# EAGLE board Mk4 Final Panel 8up 4x2 (EAGLE 9.0.1), part 15 of 23 (continued)
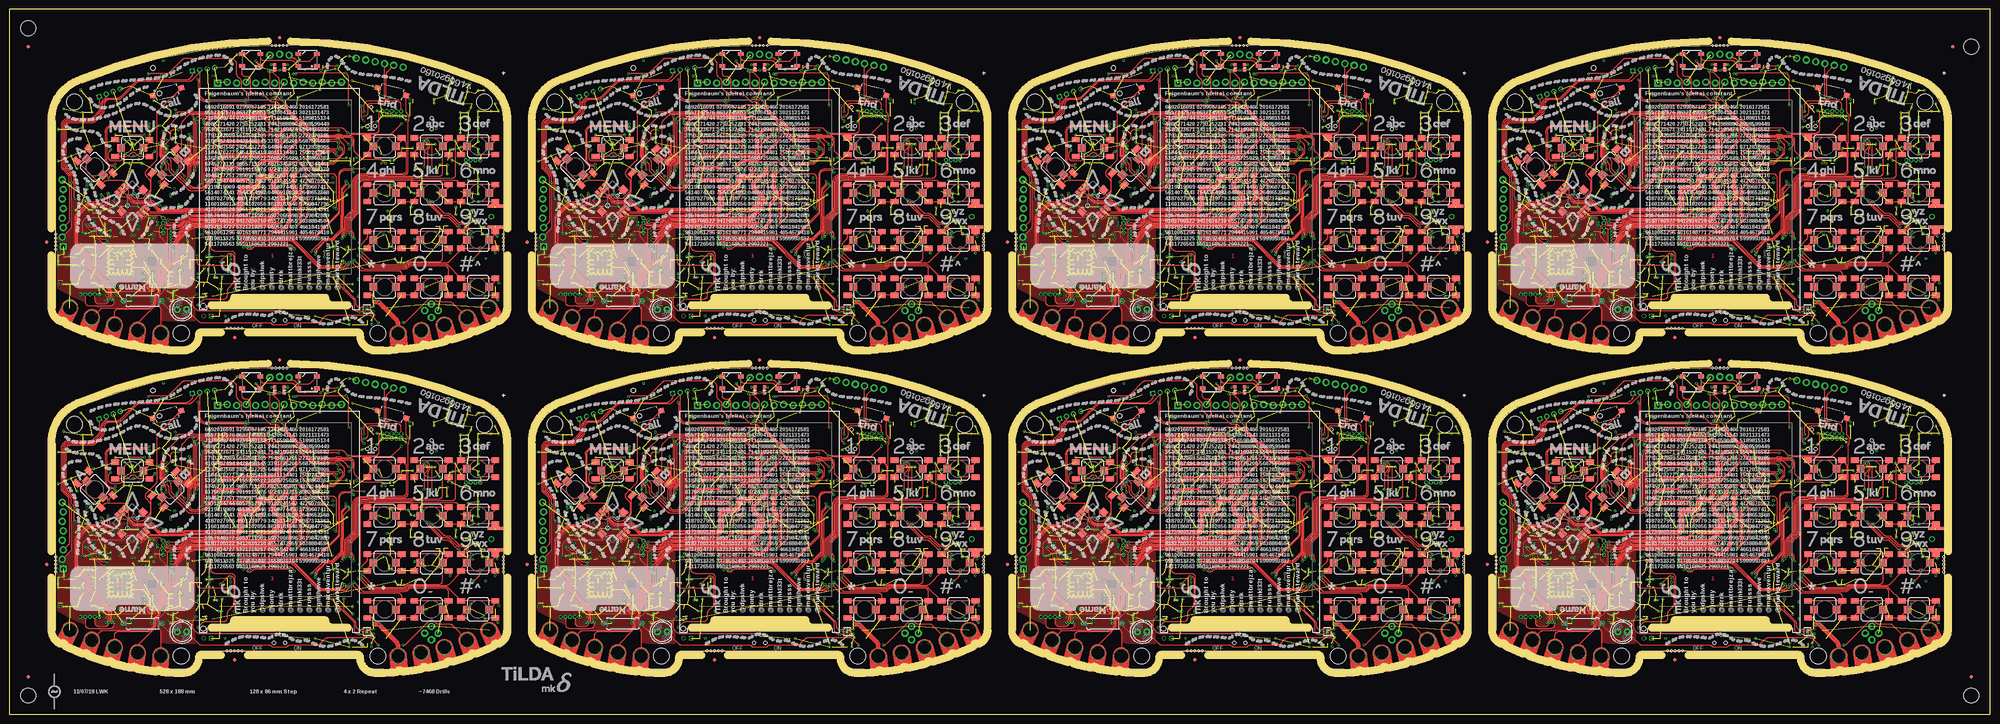
[diagram p0: board, top side]
## Tracks (layer width: path | path; a pad name or v marks a point on that pad's centre or on a via) (continued)
MIC_SWITCHED_P  (via drill 0.3)
  3V3@2 0.2: v41.06,88.32 arc-14 72,91.5 arc-7 91,90.5 arc-12 110.75,86 114,82.75 114,70.5 v113.75,70.25
  Bottom 0.2: IC12.2 105.54,66.05 arc-90 105.74,66.25 108,66.25 108.08,66.33 108.41,66.33 arc45 109.12,66.62 110.11,67.62 arc-45 110.25,67.67 110.81,67.67 arc45 111.17,67.82 111.52,68.17 arc-45 111.66,68.23 113.25,68.23 arc90 113.75,68.73 v113.75,70.25 114.5,71 115,71 115.47,71.47 S22.2 | J9.1 41.77,87.19 arc45 41.48,87.9 v41.06,88.32
MIC_SWITCHED_P1  (via drill 0.3)
  3V3@2 0.2: v169.06,88.32 arc-14 200,91.5 arc-7 219,90.5 arc-12 238.75,86 242,82.75 242,70.5 v241.75,70.25
  Bottom 0.2: IC27.2 233.54,66.05 arc-90 233.74,66.25 236,66.25 236.07,66.33 236.41,66.33 arc45 237.12,66.62 238.11,67.62 arc-45 238.25,67.67 238.81,67.67 arc45 239.17,67.82 239.51,68.17 arc-45 239.66,68.23 241.25,68.23 arc90 241.75,68.73 v241.75,70.25 242.5,71 243,71 243.47,71.47 S42.2 | J17.1 169.78,87.19 arc45 169.48,87.9 v169.06,88.32
MIC_SWITCHED_P2  (via drill 0.3)
  3V3@2 0.2: v41.06,174.32 arc-14 72,177.5 arc-7 91,176.5 arc-12 110.75,172 114,168.75 114,156.5 v113.75,156.25
  Bottom 0.2: IC45.2 105.54,152.05 arc-90 105.74,152.25 108,152.25 108.08,152.32 108.41,152.32 arc45 109.12,152.62 110.11,153.62 arc-45 110.25,153.68 110.81,153.68 arc45 111.17,153.82 111.52,154.17 arc-45 111.66,154.23 113.25,154.23 arc90 113.75,154.73 v113.75,156.25 114.5,157 115,157 115.47,157.47 S63.2 | J27.1 41.77,173.19 arc45 41.48,173.9 v41.06,174.32
MIC_SWITCHED_P3  (via drill 0.3)
  3V3@2 0.2: v169.06,174.32 arc-14 200,177.5 arc-7 219,176.5 arc-12 238.75,172 242,168.75 242,156.5 v241.75,156.25
  Bottom 0.2: IC63.2 233.54,152.05 arc-90 233.74,152.25 236,152.25 236.07,152.32 236.41,152.32 arc45 237.12,152.62 238.11,153.62 arc-45 238.25,153.68 238.81,153.68 arc45 239.17,153.82 239.51,154.17 arc-45 239.66,154.23 241.25,154.23 arc90 241.75,154.73 v241.75,156.25 242.5,157 243,157 243.47,157.47 S84.2 | J37.1 169.78,173.19 arc45 169.48,173.9 v169.06,174.32
MIC_SWITCHED_P4  (via drill 0.3)
  3V3@2 0.2: v297.06,88.32 arc-14 328,91.5 arc-7 347,90.5 arc-12 366.75,86 370,82.75 370,70.5 v369.75,70.25
  Bottom 0.2: IC81.2 361.54,66.05 arc-90 361.74,66.25 364,66.25 364.07,66.33 364.41,66.33 arc45 365.12,66.62 366.11,67.62 arc-45 366.25,67.67 366.81,67.67 arc45 367.17,67.82 367.51,68.17 arc-45 367.66,68.23 369.25,68.23 arc90 369.75,68.73 v369.75,70.25 370.5,71 371,71 371.48,71.47 S105.2 | J47.1 297.77,87.19 arc45 297.48,87.9 v297.06,88.32
MIC_SWITCHED_P5  (via drill 0.3)
  3V3@2 0.2: v425.06,88.32 arc-14 456,91.5 arc-7 475,90.5 arc-12 494.75,86 498,82.75 498,70.5 v497.75,70.25
  Bottom 0.2: IC99.2 489.54,66.05 arc-90 489.74,66.25 492,66.25 492.07,66.33 492.41,66.33 arc45 493.12,66.62 494.11,67.62 arc-45 494.25,67.67 494.81,67.67 arc45 495.17,67.82 495.51,68.17 arc-45 495.66,68.23 497.25,68.23 arc90 497.75,68.73 v497.75,70.25 498.5,71 499,71 499.48,71.47 S126.2 | J57.1 425.77,87.19 arc45 425.48,87.9 v425.06,88.32
MIC_SWITCHED_P6  (via drill 0.3)
  3V3@2 0.2: v297.06,174.32 arc-14 328,177.5 arc-7 347,176.5 arc-12 366.75,172 370,168.75 370,156.5 v369.75,156.25
  Bottom 0.2: IC117.2 361.54,152.05 arc-90 361.74,152.25 364,152.25 364.07,152.32 364.41,152.32 arc45 365.12,152.62 366.11,153.62 arc-45 366.25,153.68 366.81,153.68 arc45 367.17,153.82 367.51,154.17 arc-45 367.66,154.23 369.25,154.23 arc90 369.75,154.73 v369.75,156.25 370.5,157 371,157 371.48,157.47 S147.2 | J67.1 297.77,173.19 arc45 297.48,173.9 v297.06,174.32
MIC_SWITCHED_P7  (via drill 0.3)
  3V3@2 0.2: v425.06,174.32 arc-14 456,177.5 arc-7 475,176.5 arc-12 494.75,172 498,168.75 498,156.5 v497.75,156.25
  Bottom 0.2: IC135.2 489.54,152.05 arc-90 489.74,152.25 492,152.25 492.07,152.32 492.41,152.32 arc45 493.12,152.62 494.11,153.62 arc-45 494.25,153.68 494.81,153.68 arc45 495.17,153.82 495.51,154.17 arc-45 495.66,154.23 497.25,154.23 arc90 497.75,154.73 v497.75,156.25 498.5,157 499,157 499.48,157.47 S168.2 | J77.1 425.77,173.19 arc45 425.48,173.9 v425.06,174.32
MUX_A  (via drill 0.3)
  Top 0.15: v81.15,68.2 81.4,68.45 arc-45 81.76,68.6 81.91,68.6 arc-45 82.15,68.5 86.9,68.5 arc45 87.04,68.56 87.15,68.67 arc-45 87.29,68.72 88.31,68.72 arc-45 88.45,68.67 88.56,68.56 arc45 88.7,68.5 90.89,68.5 arc45 91.08,68.58 arc-45 91.43,68.72 101.31,68.72 arc45 102.02,69.02 v104.5,71.5
  Bottom 0.15: IC1.105 80.95,68 v81.15,68.2
  Bottom 0.2: IC12.12 104.27,71.27 v104.5,71.5 R56.1 105.54,71.29 IC12.13
MUX_A1  (via drill 0.3)
  Top 0.15: v209.15,68.2 209.4,68.45 arc-45 209.76,68.6 209.91,68.6 arc-45 210.15,68.5 214.9,68.5 arc45 215.04,68.56 215.15,68.67 arc-45 215.29,68.72 216.31,68.72 arc-45 216.45,68.67 216.56,68.56 arc45 216.7,68.5 218.89,68.5 arc45 219.08,68.58 arc-45 219.43,68.72 229.31,68.72 arc45 230.02,69.02 v232.5,71.5
  Bottom 0.15: IC20.105 208.95,68 v209.15,68.2
  Bottom 0.2: IC27.12 232.27,71.27 v232.5,71.5 R134.1 233.54,71.29 IC27.13
MUX_A2  (via drill 0.3)
  Top 0.15: v81.15,154.2 81.4,154.45 arc-45 81.76,154.6 81.91,154.6 arc-45 82.15,154.5 86.9,154.5 arc45 87.04,154.56 87.15,154.67 arc-45 87.29,154.72 88.31,154.72 arc-45 88.45,154.67 88.56,154.56 arc45 88.7,154.5 90.89,154.5 arc45 91.08,154.58 arc-45 91.43,154.72 101.31,154.72 arc45 102.02,155.02 v104.5,157.5
  Bottom 0.15: IC38.105 80.95,154 v81.15,154.2
  Bottom 0.2: IC45.12 104.27,157.27 v104.5,157.5 R212.1 105.54,157.29 IC45.13
MUX_A3  (via drill 0.3)
  Top 0.15: v209.15,154.2 209.4,154.45 arc-45 209.76,154.6 209.91,154.6 arc-45 210.15,154.5 214.9,154.5 arc45 215.04,154.56 215.15,154.67 arc-45 215.29,154.72 216.31,154.72 arc-45 216.45,154.67 216.56,154.56 arc45 216.7,154.5 218.89,154.5 arc45 219.08,154.58 arc-45 219.43,154.72 229.31,154.72 arc45 230.02,155.02 v232.5,157.5
  Bottom 0.15: IC56.105 208.95,154 v209.15,154.2
  Bottom 0.2: IC63.12 232.27,157.27 v232.5,157.5 R290.1 233.54,157.29 IC63.13
MUX_A4  (via drill 0.3)
  Top 0.15: v337.15,68.2 337.4,68.45 arc-45 337.76,68.6 337.91,68.6 arc-45 338.15,68.5 342.9,68.5 arc45 343.04,68.56 343.15,68.67 arc-45 343.29,68.72 344.31,68.72 arc-45 344.45,68.67 344.56,68.56 arc45 344.7,68.5 346.89,68.5 arc45 347.08,68.58 arc-45 347.43,68.72 357.31,68.72 arc45 358.02,69.02 v360.5,71.5
  Bottom 0.15: IC74.105 336.95,68 v337.15,68.2
  Bottom 0.2: IC81.12 360.27,71.27 v360.5,71.5 R368.1 361.54,71.29 IC81.13
MUX_A5  (via drill 0.3)
  Top 0.15: v465.15,68.2 465.4,68.45 arc-45 465.76,68.6 465.91,68.6 arc-45 466.15,68.5 470.9,68.5 arc45 471.04,68.56 471.15,68.67 arc-45 471.29,68.72 472.31,68.72 arc-45 472.45,68.67 472.56,68.56 arc45 472.7,68.5 474.89,68.5 arc45 475.08,68.58 arc-45 475.43,68.72 485.31,68.72 arc45 486.02,69.02 v488.5,71.5
  Bottom 0.15: IC92.105 464.95,68 v465.15,68.2
  Bottom 0.2: IC99.12 488.27,71.27 v488.5,71.5 R446.1 489.54,71.29 IC99.13
MUX_A6  (via drill 0.3)
  Top 0.15: v337.15,154.2 337.4,154.45 arc-45 337.76,154.6 337.91,154.6 arc-45 338.15,154.5 342.9,154.5 arc45 343.04,154.56 343.15,154.67 arc-45 343.29,154.72 344.31,154.72 arc-45 344.45,154.67 344.56,154.56 arc45 344.7,154.5 346.89,154.5 arc45 347.08,154.58 arc-45 347.43,154.72 357.31,154.72 arc45 358.02,155.02 v360.5,157.5
  Bottom 0.15: IC110.105 336.95,154 v337.15,154.2
  Bottom 0.2: IC117.12 360.27,157.27 v360.5,157.5 R524.1 361.54,157.29 IC117.13
MUX_A7  (via drill 0.3)
  Top 0.15: v465.15,154.2 465.4,154.45 arc-45 465.76,154.6 465.91,154.6 arc-45 466.15,154.5 470.9,154.5 arc45 471.04,154.56 471.15,154.67 arc-45 471.29,154.72 472.31,154.72 arc-45 472.45,154.67 472.56,154.56 arc45 472.7,154.5 474.89,154.5 arc45 475.08,154.58 arc-45 475.43,154.72 485.31,154.72 arc45 486.02,155.02 v488.5,157.5
  Bottom 0.15: IC128.105 464.95,154 v465.15,154.2
  Bottom 0.2: IC135.12 488.27,157.27 v488.5,157.5 R602.1 489.54,157.29 IC135.13
MUX_B  (via drill 0.3)
  Top 0.15: v100.25,61 99.54,61.71 arc45 98.84,62 94.51,62 arc-45 93.81,62.29 92.09,64.01 arc-45 91.8,64.71 91.8,67.2 arc90 90.8,68.2 88.57,68.2 arc-45 88.43,68.26 88.33,68.37 arc45 88.18,68.42 87.42,68.42 arc45 87.28,68.37 87.17,68.26 arc-45 87.03,68.2 82.31,68.2 arc45 81.95,68.05 v81.9,68
  Bottom 0.15: R55.2 v100.25,61 | IC1.106 81.5,67.6 v81.9,68
  Bottom 0.2: IC12.6 100.46,61.96 R55.2 100.31,61.75 arc45 101.02,62.04 101.27,62.3 101.3,62.3 101.73,62.73 IC12.5
MUX_B1  (via drill 0.3)
  Top 0.15: v228.25,61 227.54,61.71 arc45 226.84,62 222.51,62 arc-45 221.81,62.29 220.09,64.01 arc-45 219.8,64.71 219.8,67.2 arc90 218.8,68.2 216.57,68.2 arc-45 216.43,68.26 216.32,68.37 arc45 216.18,68.42 215.42,68.42 arc45 215.28,68.37 215.17,68.26 arc-45 215.03,68.2 210.31,68.2 arc45 209.95,68.05 v209.9,68
  Bottom 0.15: R133.2 v228.25,61 | IC20.106 209.5,67.6 v209.9,68
  Bottom 0.2: IC27.6 228.46,61.96 R133.2 228.31,61.75 arc45 229.01,62.04 229.27,62.3 229.3,62.3 229.73,62.73 IC27.5
MUX_B2  (via drill 0.3)
  Top 0.15: v100.25,147 99.54,147.71 arc45 98.84,148 94.51,148 arc-45 93.81,148.29 92.09,150.01 arc-45 91.8,150.71 91.8,153.2 arc90 90.8,154.2 88.57,154.2 arc-45 88.43,154.26 88.33,154.37 arc45 88.18,154.43 87.42,154.43 arc45 87.28,154.37 87.17,154.26 arc-45 87.03,154.2 82.31,154.2 arc45 81.95,154.05 v81.9,154
  Bottom 0.15: R211.2 v100.25,147 | IC38.106 81.5,153.6 v81.9,154
  Bottom 0.2: IC45.6 100.46,147.96 R211.2 100.31,147.75 arc45 101.02,148.04 101.27,148.3 101.3,148.3 101.73,148.73 IC45.5
MUX_B3  (via drill 0.3)
  Top 0.15: v228.25,147 227.54,147.71 arc45 226.84,148 222.51,148 arc-45 221.81,148.29 220.09,150.01 arc-45 219.8,150.71 219.8,153.2 arc90 218.8,154.2 216.57,154.2 arc-45 216.43,154.26 216.32,154.37 arc45 216.18,154.43 215.42,154.43 arc45 215.28,154.37 215.17,154.26 arc-45 215.03,154.2 210.31,154.2 arc45 209.95,154.05 v209.9,154
  Bottom 0.15: R289.2 v228.25,147 | IC56.106 209.5,153.6 v209.9,154
  Bottom 0.2: IC63.6 228.46,147.96 R289.2 228.31,147.75 arc45 229.01,148.04 229.27,148.3 229.3,148.3 229.73,148.73 IC63.5
MUX_B4  (via drill 0.3)
  Top 0.15: v356.25,61 355.54,61.71 arc45 354.84,62 350.51,62 arc-45 349.81,62.29 348.09,64.01 arc-45 347.8,64.71 347.8,67.2 arc90 346.8,68.2 344.57,68.2 arc-45 344.43,68.26 344.32,68.37 arc45 344.18,68.42 343.42,68.42 arc45 343.27,68.37 343.17,68.26 arc-45 343.03,68.2 338.31,68.2 arc45 337.95,68.05 v337.9,68
  Bottom 0.15: R367.2 v356.25,61 | IC74.106 337.5,67.6 v337.9,68
  Bottom 0.2: IC81.6 356.46,61.96 R367.2 356.31,61.75 arc45 357.01,62.04 357.27,62.3 357.3,62.3 357.73,62.73 IC81.5
MUX_B5  (via drill 0.3)
  Top 0.15: v484.25,61 483.54,61.71 arc45 482.84,62 478.51,62 arc-45 477.81,62.29 476.09,64.01 arc-45 475.8,64.71 475.8,67.2 arc90 474.8,68.2 472.57,68.2 arc-45 472.43,68.26 472.32,68.37 arc45 472.18,68.42 471.42,68.42 arc45 471.27,68.37 471.17,68.26 arc-45 471.03,68.2 466.31,68.2 arc45 465.95,68.05 v465.9,68
  Bottom 0.15: R445.2 v484.25,61 | IC92.106 465.5,67.6 v465.9,68
  Bottom 0.2: IC99.6 484.46,61.96 R445.2 484.31,61.75 arc45 485.01,62.04 485.27,62.3 485.3,62.3 485.73,62.73 IC99.5
MUX_B6  (via drill 0.3)
  Top 0.15: v356.25,147 355.54,147.71 arc45 354.84,148 350.51,148 arc-45 349.81,148.29 348.09,150.01 arc-45 347.8,150.71 347.8,153.2 arc90 346.8,154.2 344.57,154.2 arc-45 344.43,154.26 344.32,154.37 arc45 344.18,154.43 343.42,154.43 arc45 343.27,154.37 343.17,154.26 arc-45 343.03,154.2 338.31,154.2 arc45 337.95,154.05 v337.9,154
  Bottom 0.15: R523.2 v356.25,147 | IC110.106 337.5,153.6 v337.9,154
  Bottom 0.2: IC117.6 356.46,147.96 R523.2 356.31,147.75 arc45 357.01,148.04 357.27,148.3 357.3,148.3 357.73,148.73 IC117.5
MUX_B7  (via drill 0.3)
  Top 0.15: v484.25,147 483.54,147.71 arc45 482.84,148 478.51,148 arc-45 477.81,148.29 476.09,150.01 arc-45 475.8,150.71 475.8,153.2 arc90 474.8,154.2 472.57,154.2 arc-45 472.43,154.26 472.32,154.37 arc45 472.18,154.43 471.42,154.43 arc45 471.27,154.37 471.17,154.26 arc-45 471.03,154.2 466.31,154.2 arc45 465.95,154.05 v465.9,154
  Bottom 0.15: R601.2 v484.25,147 | IC128.106 465.5,153.6 v465.9,154
  Bottom 0.2: IC135.6 484.46,147.96 R601.2 484.31,147.75 arc45 485.01,148.04 485.27,148.3 485.3,148.3 485.73,148.73 IC135.5
N$1
  cutout GND@3 (no thermals): 33.9,40.9 33.9,40.85 33.9,40.9 34.24,41.24 arc-90 34.66,41.24 34.84,41.06 arc-90 34.84,40.64 32.15,37.95 32.15,37.8 arc-90 31.85,37.5 31.75,37.5 arc-90 31.45,37.8 31.45,38.4 33.9,40.85
N$2
  cutout GND@3 (no thermals): 29.1,42.5 29.1,38.8 29.85,38.05 29.85,37.75 arc-90 29.55,37.45 29.45,37.45 arc-90 29.15,37.75 28.4,38.5 28.4,43 29.29,43.89 arc-90 29.71,43.89 29.89,43.71 arc-90 29.89,43.29
N$3
  cutout GND@3 (no thermals): 28.1,42.6 28.1,38.6 28.65,38.05 28.65,37.75 arc-90 28.35,37.45 28.25,37.45 arc-90 27.95,37.75 27.4,38.3 27.4,42.1 26.61,42.89 arc-90 26.61,43.31 26.79,43.49 arc-90 27.21,43.49
N$4
  cutout 3V3@2: 92.1,17 92.1,20.75 96.1,20.75 96.1,17
  cutout GND@3: 92.1,17 92.1,20.75 96.1,20.75 96.1,17
N$5
  cutout GND@3 (no thermals): 161.9,40.9 161.9,40.85 161.9,40.9 162.24,41.24 arc-90 162.66,41.24 162.84,41.06 arc-90 162.84,40.64 160.15,37.95 160.15,37.8 arc-90 159.85,37.5 159.75,37.5 arc-90 159.45,37.8 159.45,38.4 161.9,40.85
N$6
  cutout GND@3 (no thermals): 157.1,42.5 157.1,38.8 157.85,38.05 157.85,37.75 arc-90 157.55,37.45 157.45,37.45 arc-90 157.15,37.75 156.4,38.5 156.4,43 157.29,43.89 arc-90 157.71,43.89 157.89,43.71 arc-90 157.89,43.29
N$7
  cutout GND@3 (no thermals): 156.1,42.6 156.1,38.6 156.65,38.05 156.65,37.75 arc-90 156.35,37.45 156.25,37.45 arc-90 155.95,37.75 155.4,38.3 155.4,42.1 154.61,42.89 arc-90 154.61,43.31 154.79,43.49 arc-90 155.21,43.49
N$8
  cutout 3V3@2: 220.1,17 220.1,20.75 224.1,20.75 224.1,17
  cutout GND@3: 220.1,17 220.1,20.75 224.1,20.75 224.1,17
N$9
  cutout GND@3 (no thermals): 33.9,126.9 33.9,126.85 33.9,126.9 34.24,127.24 arc-90 34.66,127.24 34.84,127.06 arc-90 34.84,126.64 32.15,123.95 32.15,123.8 arc-90 31.85,123.5 31.75,123.5 arc-90 31.45,123.8 31.45,124.4 33.9,126.85
N$10
  cutout GND@3 (no thermals): 29.1,128.5 29.1,124.8 29.85,124.05 29.85,123.75 arc-90 29.55,123.45 29.45,123.45 arc-90 29.15,123.75 28.4,124.5 28.4,129 29.29,129.89 arc-90 29.71,129.89 29.89,129.71 arc-90 29.89,129.29
N$11
  cutout GND@3 (no thermals): 28.1,128.6 28.1,124.6 28.65,124.05 28.65,123.75 arc-90 28.35,123.45 28.25,123.45 arc-90 27.95,123.75 27.4,124.3 27.4,128.1 26.61,128.89 arc-90 26.61,129.31 26.79,129.49 arc-90 27.21,129.49
N$12
  cutout 3V3@2: 92.1,103 92.1,106.75 96.1,106.75 96.1,103
  cutout GND@3: 92.1,103 92.1,106.75 96.1,106.75 96.1,103
N$13
  cutout GND@3 (no thermals): 161.9,126.9 161.9,126.85 161.9,126.9 162.24,127.24 arc-90 162.66,127.24 162.84,127.06 arc-90 162.84,126.64 160.15,123.95 160.15,123.8 arc-90 159.85,123.5 159.75,123.5 arc-90 159.45,123.8 159.45,124.4 161.9,126.85
N$14
  cutout GND@3 (no thermals): 157.1,128.5 157.1,124.8 157.85,124.05 157.85,123.75 arc-90 157.55,123.45 157.45,123.45 arc-90 157.15,123.75 156.4,124.5 156.4,129 157.29,129.89 arc-90 157.71,129.89 157.89,129.71 arc-90 157.89,129.29
N$15
  cutout GND@3 (no thermals): 156.1,128.6 156.1,124.6 156.65,124.05 156.65,123.75 arc-90 156.35,123.45 156.25,123.45 arc-90 155.95,123.75 155.4,124.3 155.4,128.1 154.61,128.89 arc-90 154.61,129.31 154.79,129.49 arc-90 155.21,129.49
N$16
  cutout 3V3@2: 220.1,103 220.1,106.75 224.1,106.75 224.1,103
  cutout GND@3: 220.1,103 220.1,106.75 224.1,106.75 224.1,103
N$17
  cutout GND@3 (no thermals): 289.9,40.9 289.9,40.85 289.9,40.9 290.24,41.24 arc-90 290.66,41.24 290.84,41.06 arc-90 290.84,40.64 288.15,37.95 288.15,37.8 arc-90 287.85,37.5 287.75,37.5 arc-90 287.45,37.8 287.45,38.4 289.9,40.85
N$18
  cutout GND@3 (no thermals): 285.1,42.5 285.1,38.8 285.85,38.05 285.85,37.75 arc-90 285.55,37.45 285.45,37.45 arc-90 285.15,37.75 284.4,38.5 284.4,43 285.29,43.89 arc-90 285.71,43.89 285.89,43.71 arc-90 285.89,43.29
N$19
  cutout GND@3 (no thermals): 284.1,42.6 284.1,38.6 284.65,38.05 284.65,37.75 arc-90 284.35,37.45 284.25,37.45 arc-90 283.95,37.75 283.4,38.3 283.4,42.1 282.61,42.89 arc-90 282.61,43.31 282.79,43.49 arc-90 283.21,43.49
N$20
  cutout 3V3@2: 348.1,17 348.1,20.75 352.1,20.75 352.1,17
  cutout GND@3: 348.1,17 348.1,20.75 352.1,20.75 352.1,17
N$21
  cutout GND@3 (no thermals): 417.9,40.9 417.9,40.85 417.9,40.9 418.24,41.24 arc-90 418.66,41.24 418.84,41.06 arc-90 418.84,40.64 416.15,37.95 416.15,37.8 arc-90 415.85,37.5 415.75,37.5 arc-90 415.45,37.8 415.45,38.4 417.9,40.85
N$22
  cutout GND@3 (no thermals): 413.1,42.5 413.1,38.8 413.85,38.05 413.85,37.75 arc-90 413.55,37.45 413.45,37.45 arc-90 413.15,37.75 412.4,38.5 412.4,43 413.29,43.89 arc-90 413.71,43.89 413.89,43.71 arc-90 413.89,43.29
N$23
  cutout GND@3 (no thermals): 412.1,42.6 412.1,38.6 412.65,38.05 412.65,37.75 arc-90 412.35,37.45 412.25,37.45 arc-90 411.95,37.75 411.4,38.3 411.4,42.1 410.61,42.89 arc-90 410.61,43.31 410.79,43.49 arc-90 411.21,43.49
N$24
  cutout 3V3@2: 476.1,17 476.1,20.75 480.1,20.75 480.1,17
  cutout GND@3: 476.1,17 476.1,20.75 480.1,20.75 480.1,17
N$25
  cutout GND@3 (no thermals): 289.9,126.9 289.9,126.85 289.9,126.9 290.24,127.24 arc-90 290.66,127.24 290.84,127.06 arc-90 290.84,126.64 288.15,123.95 288.15,123.8 arc-90 287.85,123.5 287.75,123.5 arc-90 287.45,123.8 287.45,124.4 289.9,126.85
N$26
  cutout GND@3 (no thermals): 285.1,128.5 285.1,124.8 285.85,124.05 285.85,123.75 arc-90 285.55,123.45 285.45,123.45 arc-90 285.15,123.75 284.4,124.5 284.4,129 285.29,129.89 arc-90 285.71,129.89 285.89,129.71 arc-90 285.89,129.29
N$27
  cutout GND@3 (no thermals): 284.1,128.6 284.1,124.6 284.65,124.05 284.65,123.75 arc-90 284.35,123.45 284.25,123.45 arc-90 283.95,123.75 283.4,124.3 283.4,128.1 282.61,128.89 arc-90 282.61,129.31 282.79,129.49 arc-90 283.21,129.49
N$28
  cutout 3V3@2: 348.1,103 348.1,106.75 352.1,106.75 352.1,103
  cutout GND@3: 348.1,103 348.1,106.75 352.1,106.75 352.1,103
N$29
  cutout GND@3 (no thermals): 417.9,126.9 417.9,126.85 417.9,126.9 418.24,127.24 arc-90 418.66,127.24 418.84,127.06 arc-90 418.84,126.64 416.15,123.95 416.15,123.8 arc-90 415.85,123.5 415.75,123.5 arc-90 415.45,123.8 415.45,124.4 417.9,126.85
N$30
  cutout GND@3 (no thermals): 413.1,128.5 413.1,124.8 413.85,124.05 413.85,123.75 arc-90 413.55,123.45 413.45,123.45 arc-90 413.15,123.75 412.4,124.5 412.4,129 413.29,129.89 arc-90 413.71,129.89 413.89,129.71 arc-90 413.89,129.29
N$31
  cutout GND@3 (no thermals): 412.1,128.6 412.1,124.6 412.65,124.05 412.65,123.75 arc-90 412.35,123.45 412.25,123.45 arc-90 411.95,123.75 411.4,124.3 411.4,128.1 410.61,128.89 arc-90 410.61,129.31 410.79,129.49 arc-90 411.21,129.49
N$32
  cutout 3V3@2: 476.1,103 476.1,106.75 480.1,106.75 480.1,103
  cutout GND@3: 476.1,103 476.1,106.75 480.1,106.75 480.1,103
NETLIGHT_R
  Bottom 0.15: IC5.41 109.2,44 arc-90 108.2,43 102.75,43 R42.2
NETLIGHT_R1
  Bottom 0.15: IC21.41 237.2,44 arc-90 236.2,43 230.75,43 R124.2
NETLIGHT_R2
  Bottom 0.15: IC39.41 109.2,130 arc-90 108.2,129 102.75,129 R202.2
NETLIGHT_R3
  Bottom 0.15: IC57.41 237.2,130 arc-90 236.2,129 230.75,129 R280.2
NETLIGHT_R4
  Bottom 0.15: IC75.41 365.2,44 arc-90 364.2,43 358.75,43 R358.2
NETLIGHT_R5
  Bottom 0.15: IC93.41 493.2,44 arc-90 492.2,43 486.75,43 R436.2
NETLIGHT_R6
  Bottom 0.15: IC111.41 365.2,130 arc-90 364.2,129 358.75,129 R514.2
NETLIGHT_R7
  Bottom 0.15: IC129.41 493.2,130 arc-90 492.2,129 486.75,129 R592.2
OSC0
  Bottom 0.15: IC1.88 75,76.2 C16.2 74.75,77.91 arc45 74.46,78.62 X2.1
OSC1
  Bottom 0.15: IC1.89 75.4,74.1 R6.1
OSC1_R
  Bottom 0.15: R6.2 C17.2 75.75,77.47 X2.3
OSC1_R1
  Bottom 0.15: R90.2 C127.2 203.75,77.47 X6.3
OSC1_R2
  Bottom 0.15: R168.2 C235.2 75.75,163.47 X10.3
OSC1_R3
  Bottom 0.15: R246.2 C343.2 203.75,163.47 X14.3
OSC1_R4
  Bottom 0.15: R324.2 C451.2 331.75,77.47 X18.3
OSC1_R5
  Bottom 0.15: R402.2 C559.2 459.75,77.47 X22.3
OSC1_R6
  Bottom 0.15: R480.2 C667.2 331.75,163.47 X26.3
OSC1_R7
  Bottom 0.15: R558.2 C775.2 459.75,163.47 X30.3
OSC2
  Bottom 0.15: IC20.88 203,76.2 C126.2 202.75,77.91 arc45 202.46,78.62 X6.1
OSC3
  Bottom 0.15: IC20.89 203.4,74.1 R90.1
OSC4
  Bottom 0.15: IC38.88 75,162.2 C234.2 74.75,163.91 arc45 74.46,164.62 X10.1
OSC5
  Bottom 0.15: IC38.89 75.4,160.1 R168.1
OSC6
  Bottom 0.15: IC56.88 203,162.2 C342.2 202.75,163.91 arc45 202.46,164.62 X14.1
OSC7
  Bottom 0.15: IC56.89 203.4,160.1 R246.1
OSC8
  Bottom 0.15: IC74.88 331,76.2 C450.2 330.75,77.91 arc45 330.46,78.62 X18.1
OSC9
  Bottom 0.15: IC74.89 331.4,74.1 R324.1
OSC10
  Bottom 0.15: IC92.88 459,76.2 C558.2 458.75,77.91 arc45 458.46,78.62 X22.1
OSC11
  Bottom 0.15: IC92.89 459.4,74.1 R402.1
OSC12
  Bottom 0.15: IC110.88 331,162.2 C666.2 330.75,163.91 arc45 330.46,164.62 X26.1
OSC13
  Bottom 0.15: IC110.89 331.4,160.1 R480.1
OSC14
  Bottom 0.15: IC128.88 459,162.2 C774.2 458.75,163.91 arc45 458.46,164.62 X30.1
OSC15
  Bottom 0.15: IC128.89 459.4,160.1 R558.1
POWER_SWITCH  (via drill 0.3)
  Top 0.15: v73.25,21 73.02,21.23 arc45 72.31,21.52 72.03,21.52 72.01,21.5 50.71,21.5 arc-45 50.01,21.79 49.32,22.48 arc-45 49.02,23.19 49.02,24.86 arc-45 49.32,25.57 v49.75,26
  Bottom 0.15: Q3.4 50.3,26.2 R13.1 v49.75,26 | S18.3 73.61,20.85 arc-45 v73.25,21
POWER_SWITCH1  (via drill 0.3)
  Top 0.15: v201.25,21 201.02,21.23 arc45 200.31,21.52 200.03,21.52 200.01,21.5 178.71,21.5 arc-45 178.01,21.79 177.32,22.48 arc-45 177.03,23.19 177.03,24.86 arc-45 177.32,25.57 v177.75,26
  Bottom 0.15: Q7.4 178.3,26.2 R96.1 v177.75,26 | S39.3 201.61,20.85 arc-45 v201.25,21
POWER_SWITCH2  (via drill 0.3)
  Top 0.15: v73.25,107 73.02,107.23 arc45 72.31,107.53 72.03,107.53 72.01,107.5 50.71,107.5 arc-45 50.01,107.79 49.32,108.48 arc-45 49.02,109.19 49.02,110.86 arc-45 49.32,111.57 v49.75,112
  Bottom 0.15: Q12.4 50.3,112.2 R174.1 v49.75,112 | S60.3 73.61,106.85 arc-45 v73.25,107
POWER_SWITCH3  (via drill 0.3)
  Top 0.15: v201.25,107 201.02,107.23 arc45 200.31,107.53 200.03,107.53 200.01,107.5 178.71,107.5 arc-45 178.01,107.79 177.32,108.48 arc-45 177.03,109.19 177.03,110.86 arc-45 177.32,111.57 v177.75,112
  Bottom 0.15: Q16.4 178.3,112.2 R252.1 v177.75,112 | S81.3 201.61,106.85 arc-45 v201.25,107
POWER_SWITCH4  (via drill 0.3)
  Top 0.15: v329.25,21 329.02,21.23 arc45 328.31,21.52 328.03,21.52 328.01,21.5 306.71,21.5 arc-45 306.01,21.79 305.32,22.48 arc-45 305.02,23.19 305.02,24.86 arc-45 305.32,25.57 v305.75,26
  Bottom 0.15: Q20.4 306.3,26.2 R330.1 v305.75,26 | S102.3 329.61,20.85 arc-45 v329.25,21
POWER_SWITCH5  (via drill 0.3)
  Top 0.15: v457.25,21 457.02,21.23 arc45 456.31,21.52 456.03,21.52 456.01,21.5 434.71,21.5 arc-45 434.01,21.79 433.32,22.48 arc-45 433.02,23.19 433.02,24.86 arc-45 433.32,25.57 v433.75,26
  Bottom 0.15: Q24.4 434.3,26.2 R408.1 v433.75,26 | S123.3 457.61,20.85 arc-45 v457.25,21
POWER_SWITCH6  (via drill 0.3)
  Top 0.15: v329.25,107 329.02,107.23 arc45 328.31,107.53 328.03,107.53 328.01,107.5 306.71,107.5 arc-45 306.01,107.79 305.32,108.48 arc-45 305.02,109.19 305.02,110.86 arc-45 305.32,111.57 v305.75,112
  Bottom 0.15: Q28.4 306.3,112.2 R486.1 v305.75,112 | S144.3 329.61,106.85 arc-45 v329.25,107
POWER_SWITCH7  (via drill 0.3)
  Top 0.15: v457.25,107 457.02,107.23 arc45 456.31,107.53 456.03,107.53 456.01,107.5 434.71,107.5 arc-45 434.01,107.79 433.32,108.48 arc-45 433.02,109.19 433.02,110.86 arc-45 433.32,111.57 v433.75,112
  Bottom 0.15: Q32.4 434.3,112.2 R564.1 v433.75,112 | S165.3 457.61,106.85 arc-45 v457.25,107
PWM2_SPK_PWM  (via drill 0.3)
  3V3@2 0.15: v60,64.25 60.25,64 60.25,55.75 58,53.5 v57.5,53.5
  Bottom 0.15: IC1.44 61.46,63.2 arc-45 60.76,63.49 v60,64.25 | v57.5,53.5 43.98,53.5 arc-45 43.84,53.56 43.76,53.64 arc45 43.62,53.7 42.91,53.7 arc-45 42.21,53.99 41.84,54.36 arc-45 41.55,55.06 41.55,56.43 arc45 41.18,57.32 39.74,58.76 arc45 39.21,58.98 38.98,58.98 arc-90 38.48,59.48 38.48,59.69 arc45 38.29,60.13 arc-45 38,60.84 38,71.4 arc90 37,72.4 C105.2
PWM2_SPK_PWM1  (via drill 0.3)
  3V3@2 0.15: v188,64.25 188.25,64 188.25,55.75 186,53.5 v185.5,53.5
  Bottom 0.15: IC20.44 189.46,63.2 arc-45 188.76,63.49 v188,64.25 | v185.5,53.5 171.98,53.5 arc-45 171.84,53.56 171.76,53.64 arc45 171.62,53.7 170.91,53.7 arc-45 170.21,53.99 169.84,54.36 arc-45 169.55,55.06 169.55,56.43 arc45 169.18,57.32 167.75,58.76 arc45 167.21,58.98 166.97,58.98 arc-90 166.47,59.48 166.47,59.69 arc45 166.29,60.13 arc-45 166,60.84 166,71.4 arc90 165,72.4 C213.2
PWM2_SPK_PWM2  (via drill 0.3)
  3V3@2 0.15: v60,150.25 60.25,150 60.25,141.75 58,139.5 v57.5,139.5
  Bottom 0.15: IC38.44 61.46,149.2 arc-45 60.76,149.49 v60,150.25 | v57.5,139.5 43.98,139.5 arc-45 43.84,139.56 43.76,139.64 arc45 43.62,139.7 42.91,139.7 arc-45 42.21,139.99 41.84,140.36 arc-45 41.55,141.06 41.55,142.43 arc45 41.18,143.32 39.74,144.75 arc45 39.21,144.97 38.98,144.97 arc-90 38.48,145.47 38.48,145.69 arc45 38.29,146.13 arc-45 38,146.84 38,157.4 arc90 37,158.4 C321.2
PWM2_SPK_PWM3  (via drill 0.3)
  3V3@2 0.15: v188,150.25 188.25,150 188.25,141.75 186,139.5 v185.5,139.5
  Bottom 0.15: IC56.44 189.46,149.2 arc-45 188.76,149.49 v188,150.25 | v185.5,139.5 171.98,139.5 arc-45 171.84,139.56 171.76,139.64 arc45 171.62,139.7 170.91,139.7 arc-45 170.21,139.99 169.84,140.36 arc-45 169.55,141.06 169.55,142.43 arc45 169.18,143.32 167.75,144.75 arc45 167.21,144.97 166.97,144.97 arc-90 166.47,145.47 166.47,145.69 arc45 166.29,146.13 arc-45 166,146.84 166,157.4 arc90 165,158.4 C429.2
PWM2_SPK_PWM4  (via drill 0.3)
  3V3@2 0.15: v316,64.25 316.25,64 316.25,55.75 314,53.5 v313.5,53.5
  Bottom 0.15: IC74.44 317.46,63.2 arc-45 316.76,63.49 v316,64.25 | v313.5,53.5 299.98,53.5 arc-45 299.84,53.56 299.76,53.64 arc45 299.62,53.7 298.91,53.7 arc-45 298.21,53.99 297.84,54.36 arc-45 297.55,55.06 297.55,56.43 arc45 297.18,57.32 295.75,58.76 arc45 295.21,58.98 294.98,58.98 arc-90 294.48,59.48 294.48,59.69 arc45 294.29,60.13 arc-45 294,60.84 294,71.4 arc90 293,72.4 C537.2
PWM2_SPK_PWM5  (via drill 0.3)
  3V3@2 0.15: v444,64.25 444.25,64 444.25,55.75 442,53.5 v441.5,53.5
  Bottom 0.15: IC92.44 445.46,63.2 arc-45 444.76,63.49 v444,64.25 | v441.5,53.5 427.98,53.5 arc-45 427.84,53.56 427.76,53.64 arc45 427.62,53.7 426.91,53.7 arc-45 426.21,53.99 425.84,54.36 arc-45 425.55,55.06 425.55,56.43 arc45 425.18,57.32 423.75,58.76 arc45 423.21,58.98 422.98,58.98 arc-90 422.48,59.48 422.48,59.69 arc45 422.29,60.13 arc-45 422,60.84 422,71.4 arc90 421,72.4 C645.2
PWM2_SPK_PWM6  (via drill 0.3)
  3V3@2 0.15: v316,150.25 316.25,150 316.25,141.75 314,139.5 v313.5,139.5
  Bottom 0.15: IC110.44 317.46,149.2 arc-45 316.76,149.49 v316,150.25 | v313.5,139.5 299.98,139.5 arc-45 299.84,139.56 299.76,139.64 arc45 299.62,139.7 298.91,139.7 arc-45 298.21,139.99 297.84,140.36 arc-45 297.55,141.06 297.55,142.43 arc45 297.18,143.32 295.75,144.75 arc45 295.21,144.97 294.98,144.97 arc-90 294.48,145.47 294.48,145.69 arc45 294.29,146.13 arc-45 294,146.84 294,157.4 arc90 293,158.4 C753.2
PWM2_SPK_PWM7  (via drill 0.3)
  3V3@2 0.15: v444,150.25 444.25,150 444.25,141.75 442,139.5 v441.5,139.5
  Bottom 0.15: IC128.44 445.46,149.2 arc-45 444.76,149.49 v444,150.25 | v441.5,139.5 427.98,139.5 arc-45 427.84,139.56 427.76,139.64 arc45 427.62,139.7 426.91,139.7 arc-45 426.21,139.99 425.84,140.36 arc-45 425.55,141.06 425.55,142.43 arc45 425.18,143.32 423.75,144.75 arc45 423.21,144.97 422.98,144.97 arc-90 422.48,145.47 422.48,145.69 arc45 422.29,146.13 arc-45 422,146.84 422,157.4 arc90 421,158.4 C861.2
PWM3_MIC_PWM  (via drill 0.3)
  Top 0.15: v87.7,66.3 87.39,66.61 arc45 86.69,66.9 82.39,66.9 82.37,66.88 80.98,66.88 arc-45 80.28,67.17 77.56,69.88 arc45 77.21,70.03 73.64,70.03 arc45 72.93,69.73 71.29,68.09 arc45 71,67.39 71,64.7 arc-90 70,63.7 66.48,63.7 arc-45 v66,63.9
  Bottom 0.15: IC1.45 65.29,63.6 arc45 v65.99,63.89 v66,63.9 | v87.7,66.3 87.39,66.61 arc-45 87.1,67.31 87.1,69.75 arc-90 88.1,70.75 R53.2
PWM3_MIC_PWM1  (via drill 0.3)